# Altium PCB ESP32 V1.0.PcbDoc (part 1 of 2)
Units mm, origin at the board's own origin, x right, y up, seen from the top; angles counter-clockwise.
Board outline 74.47 x 73.52 mm, 4 copper layers (Top Layer, Layer 1, Layer 2, Bottom Layer), stack 1.571 mm thick; 107 components, 77 nets, 387 pads, 218 vias.
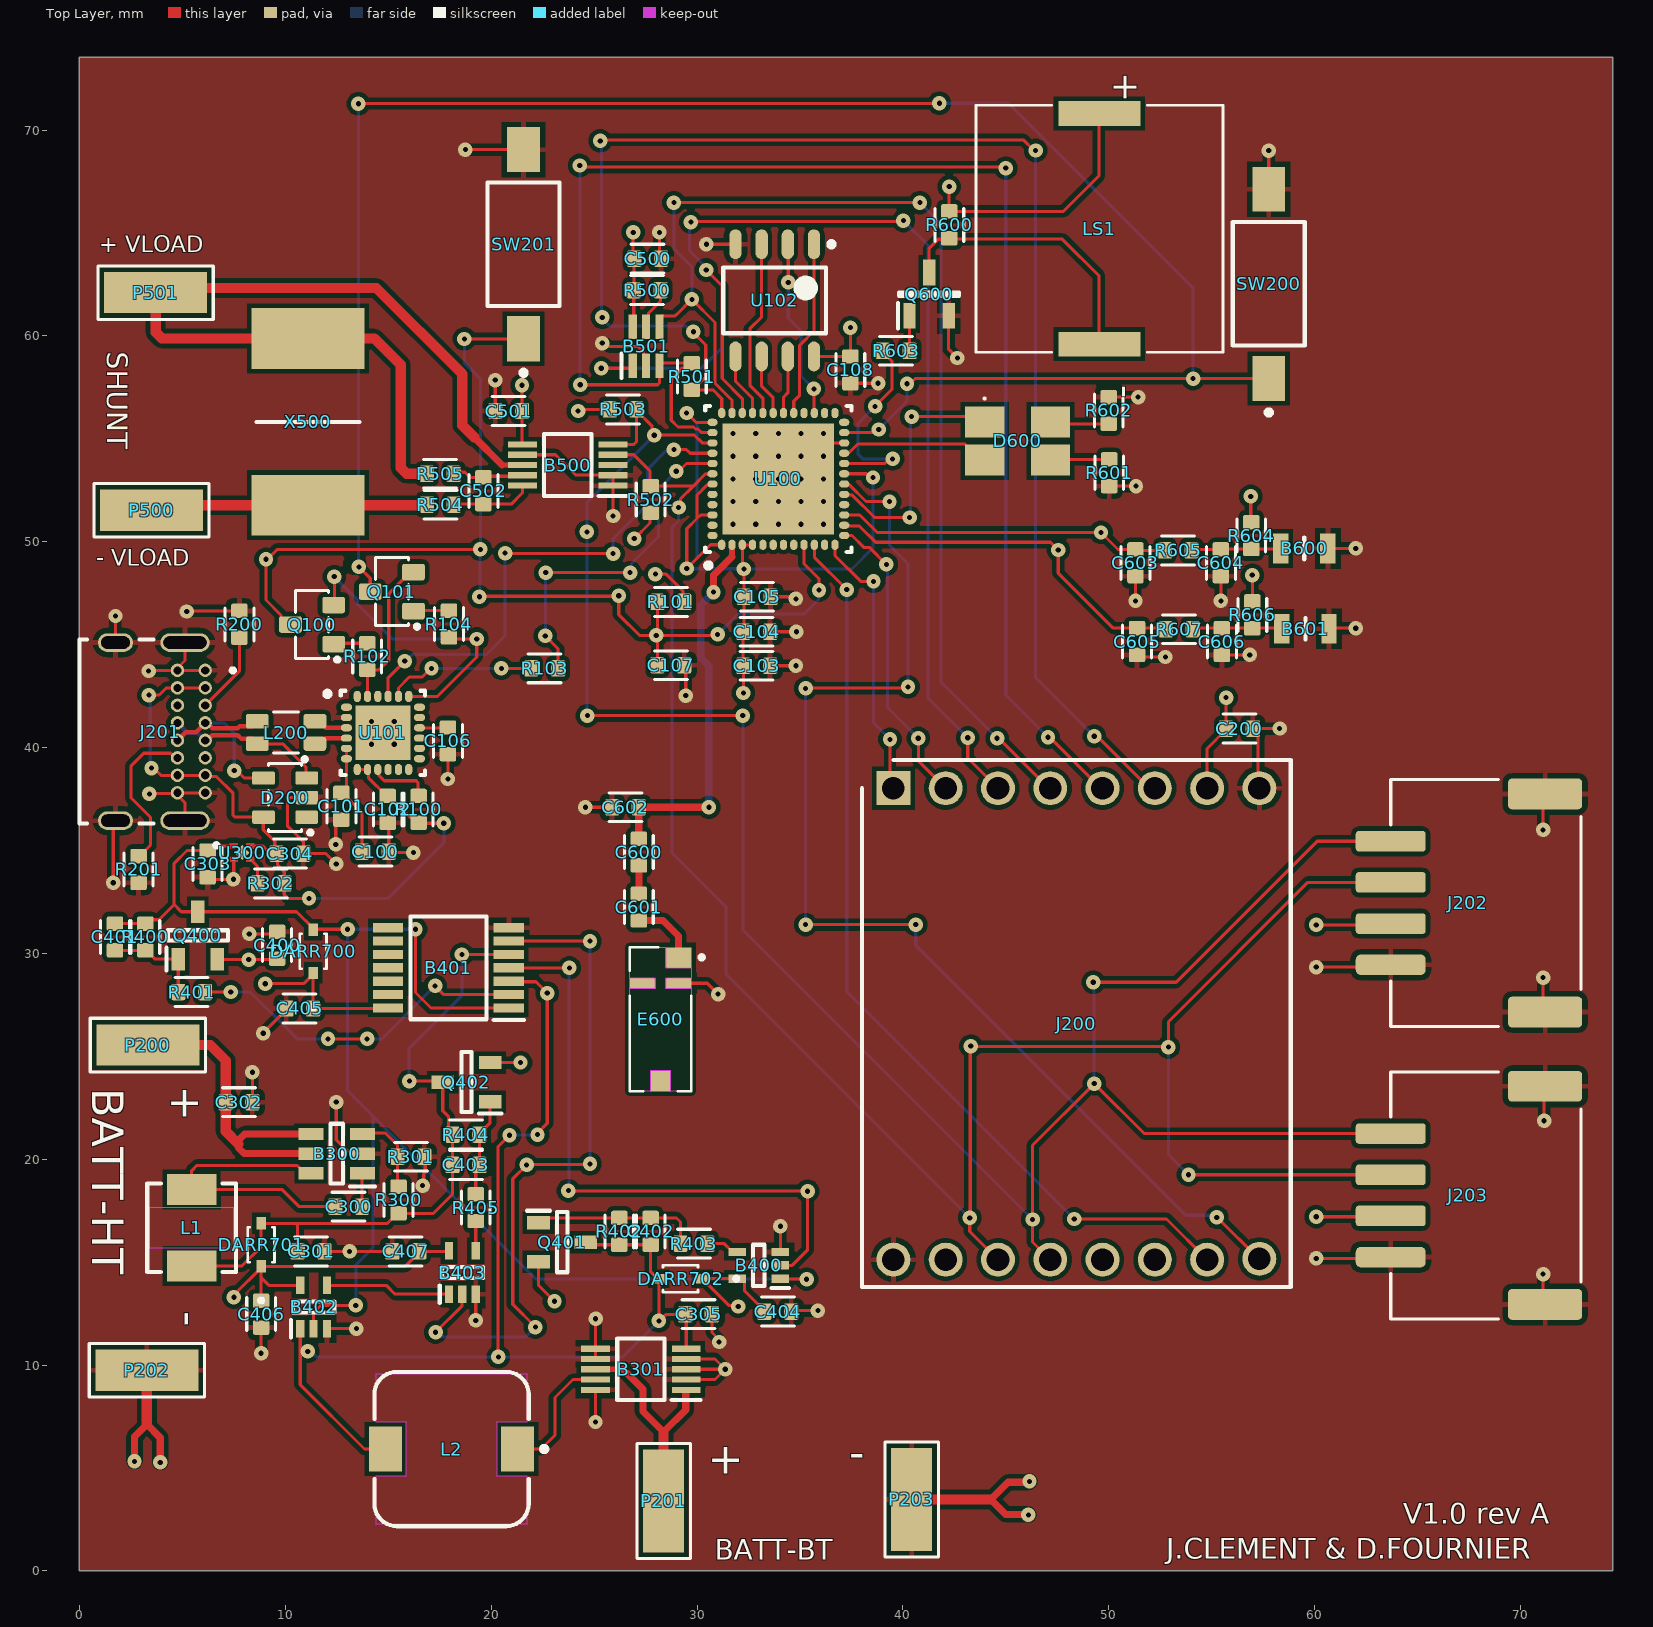
[diagram p0: Top Layer view]
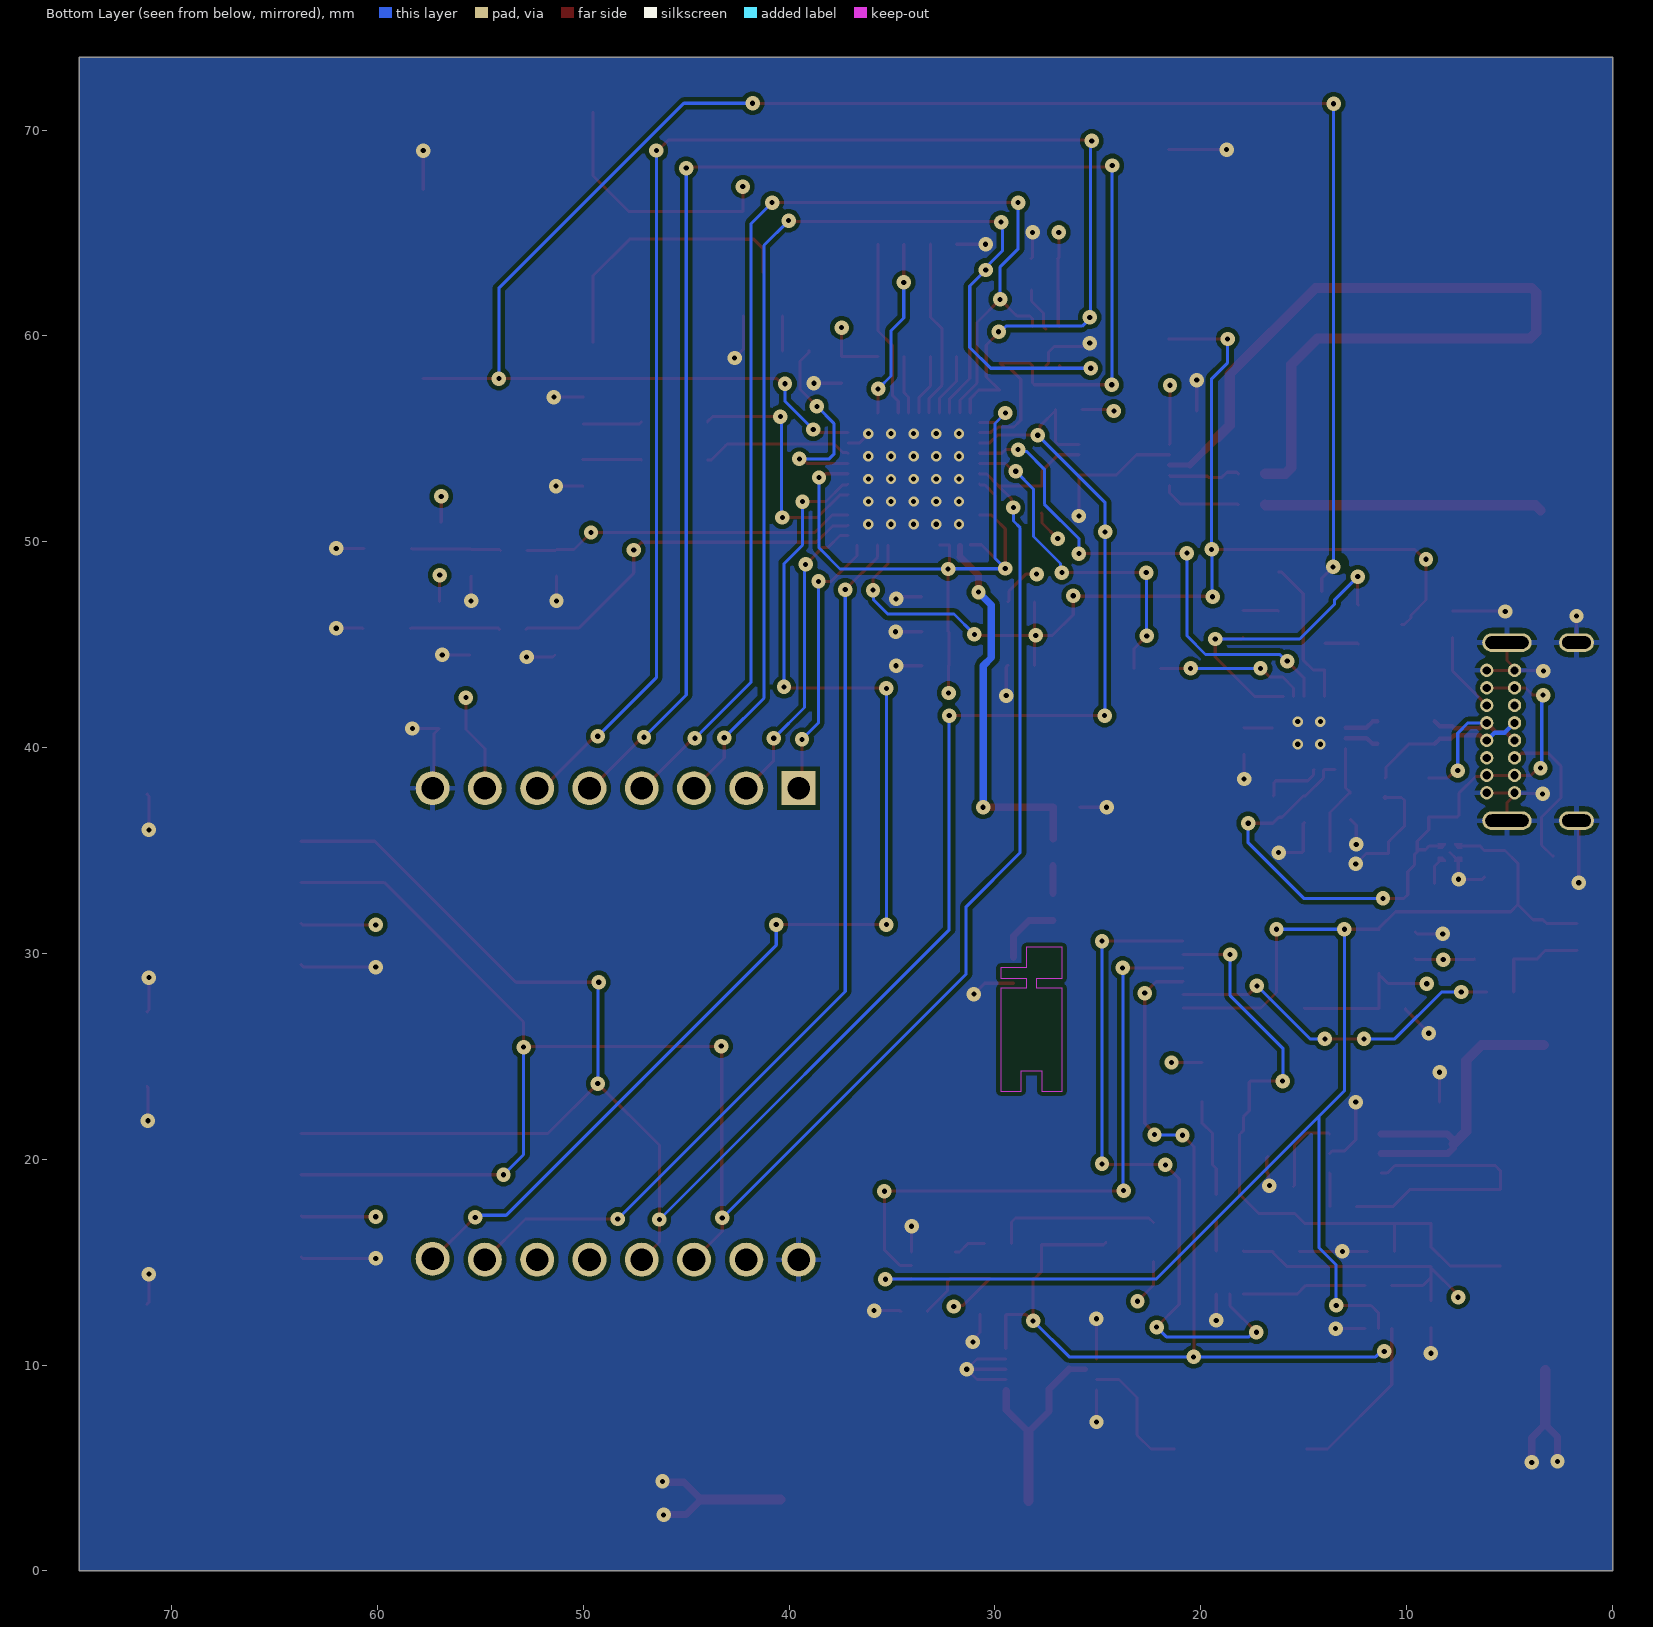
[diagram p1: Bottom Layer view, seen from below]
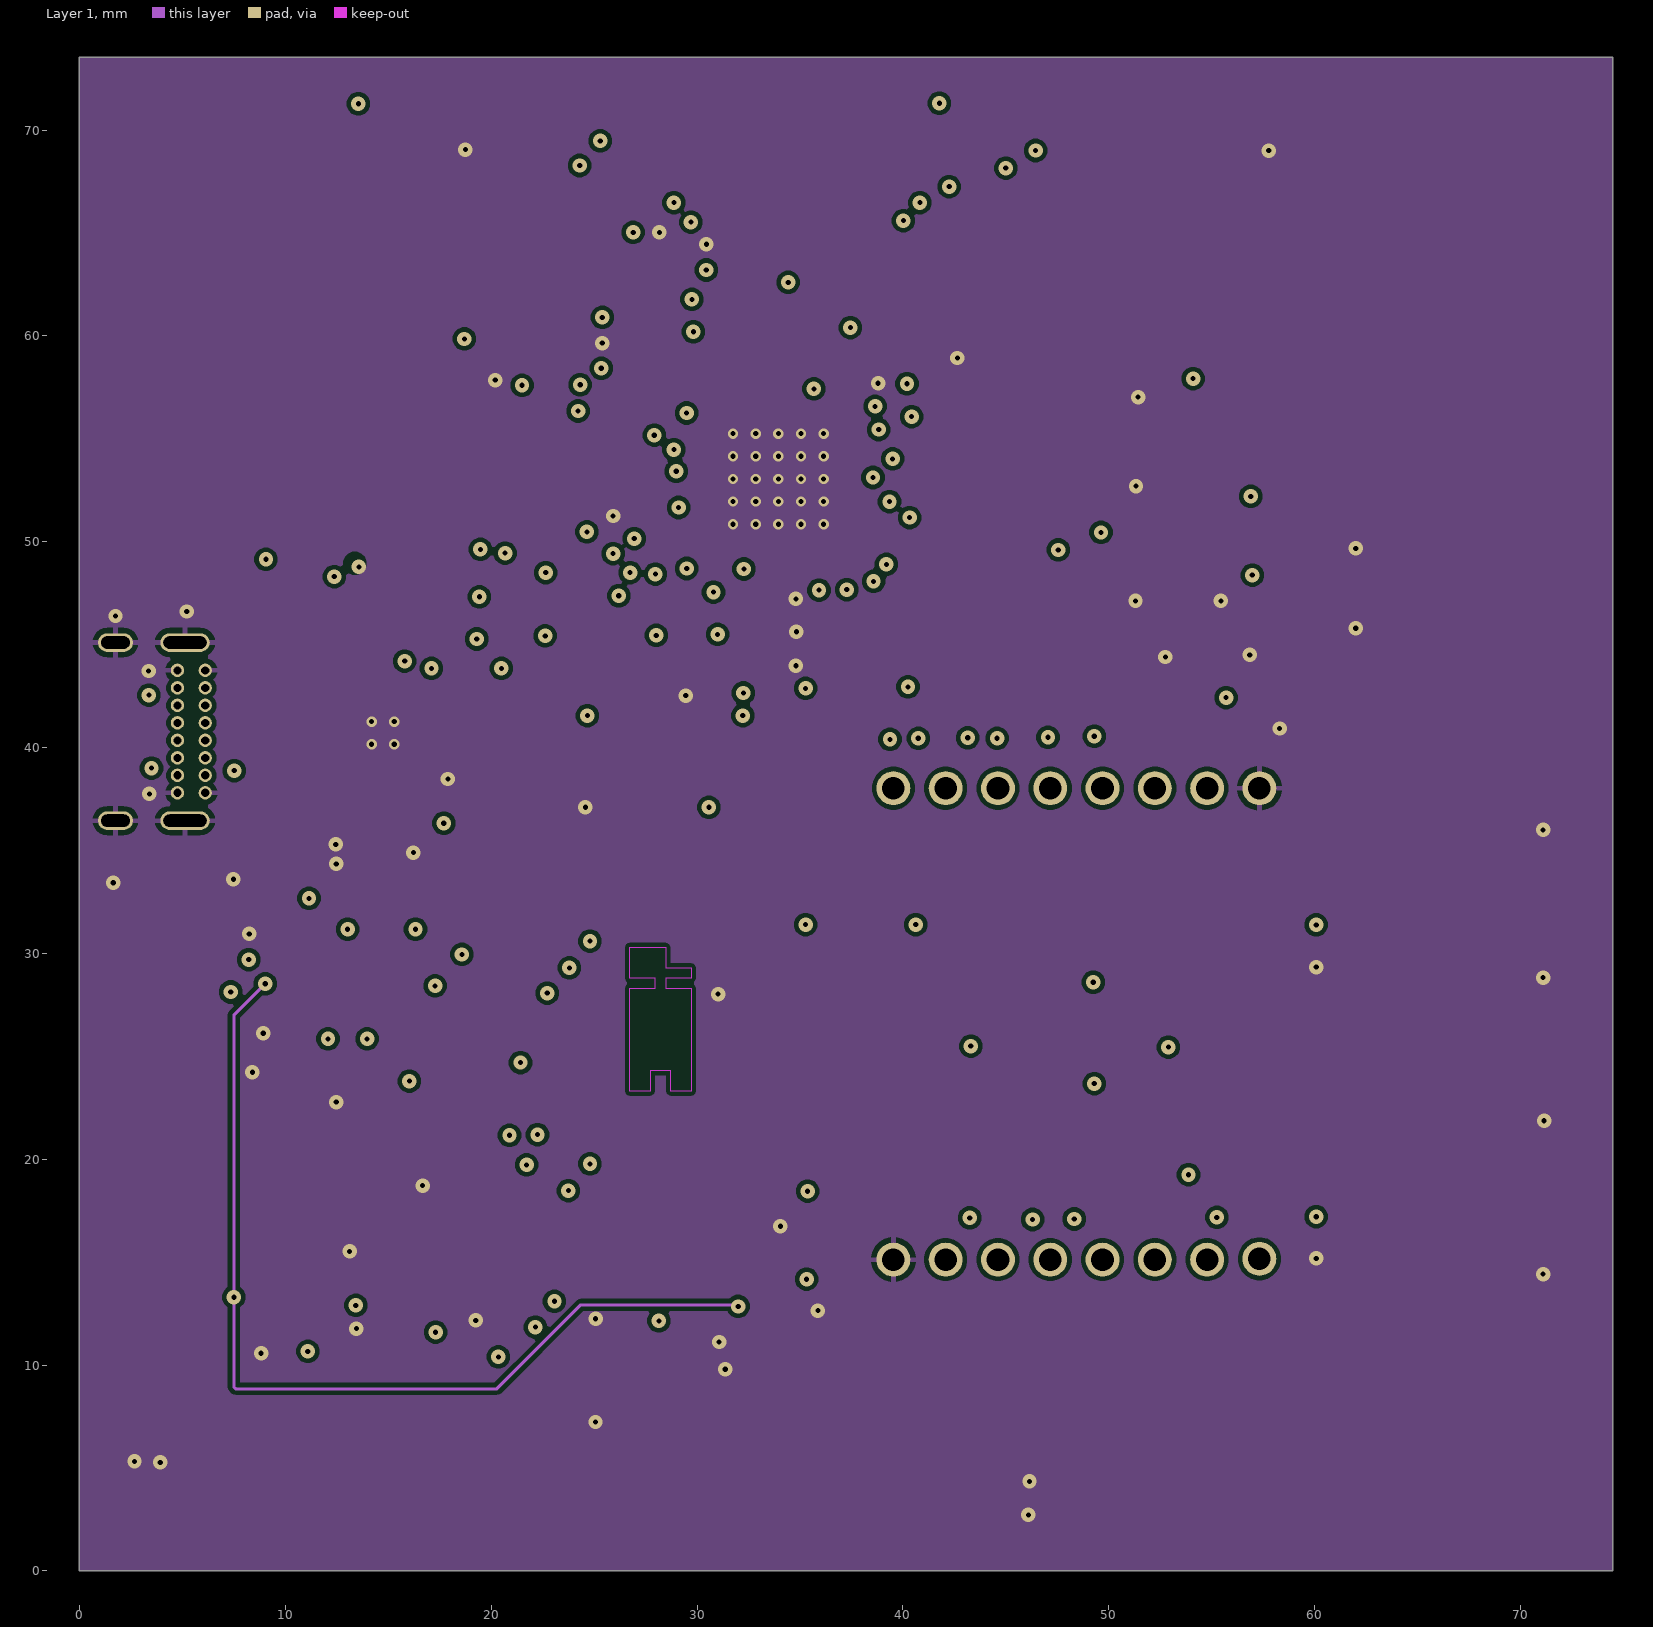
[diagram p2: Layer 1]
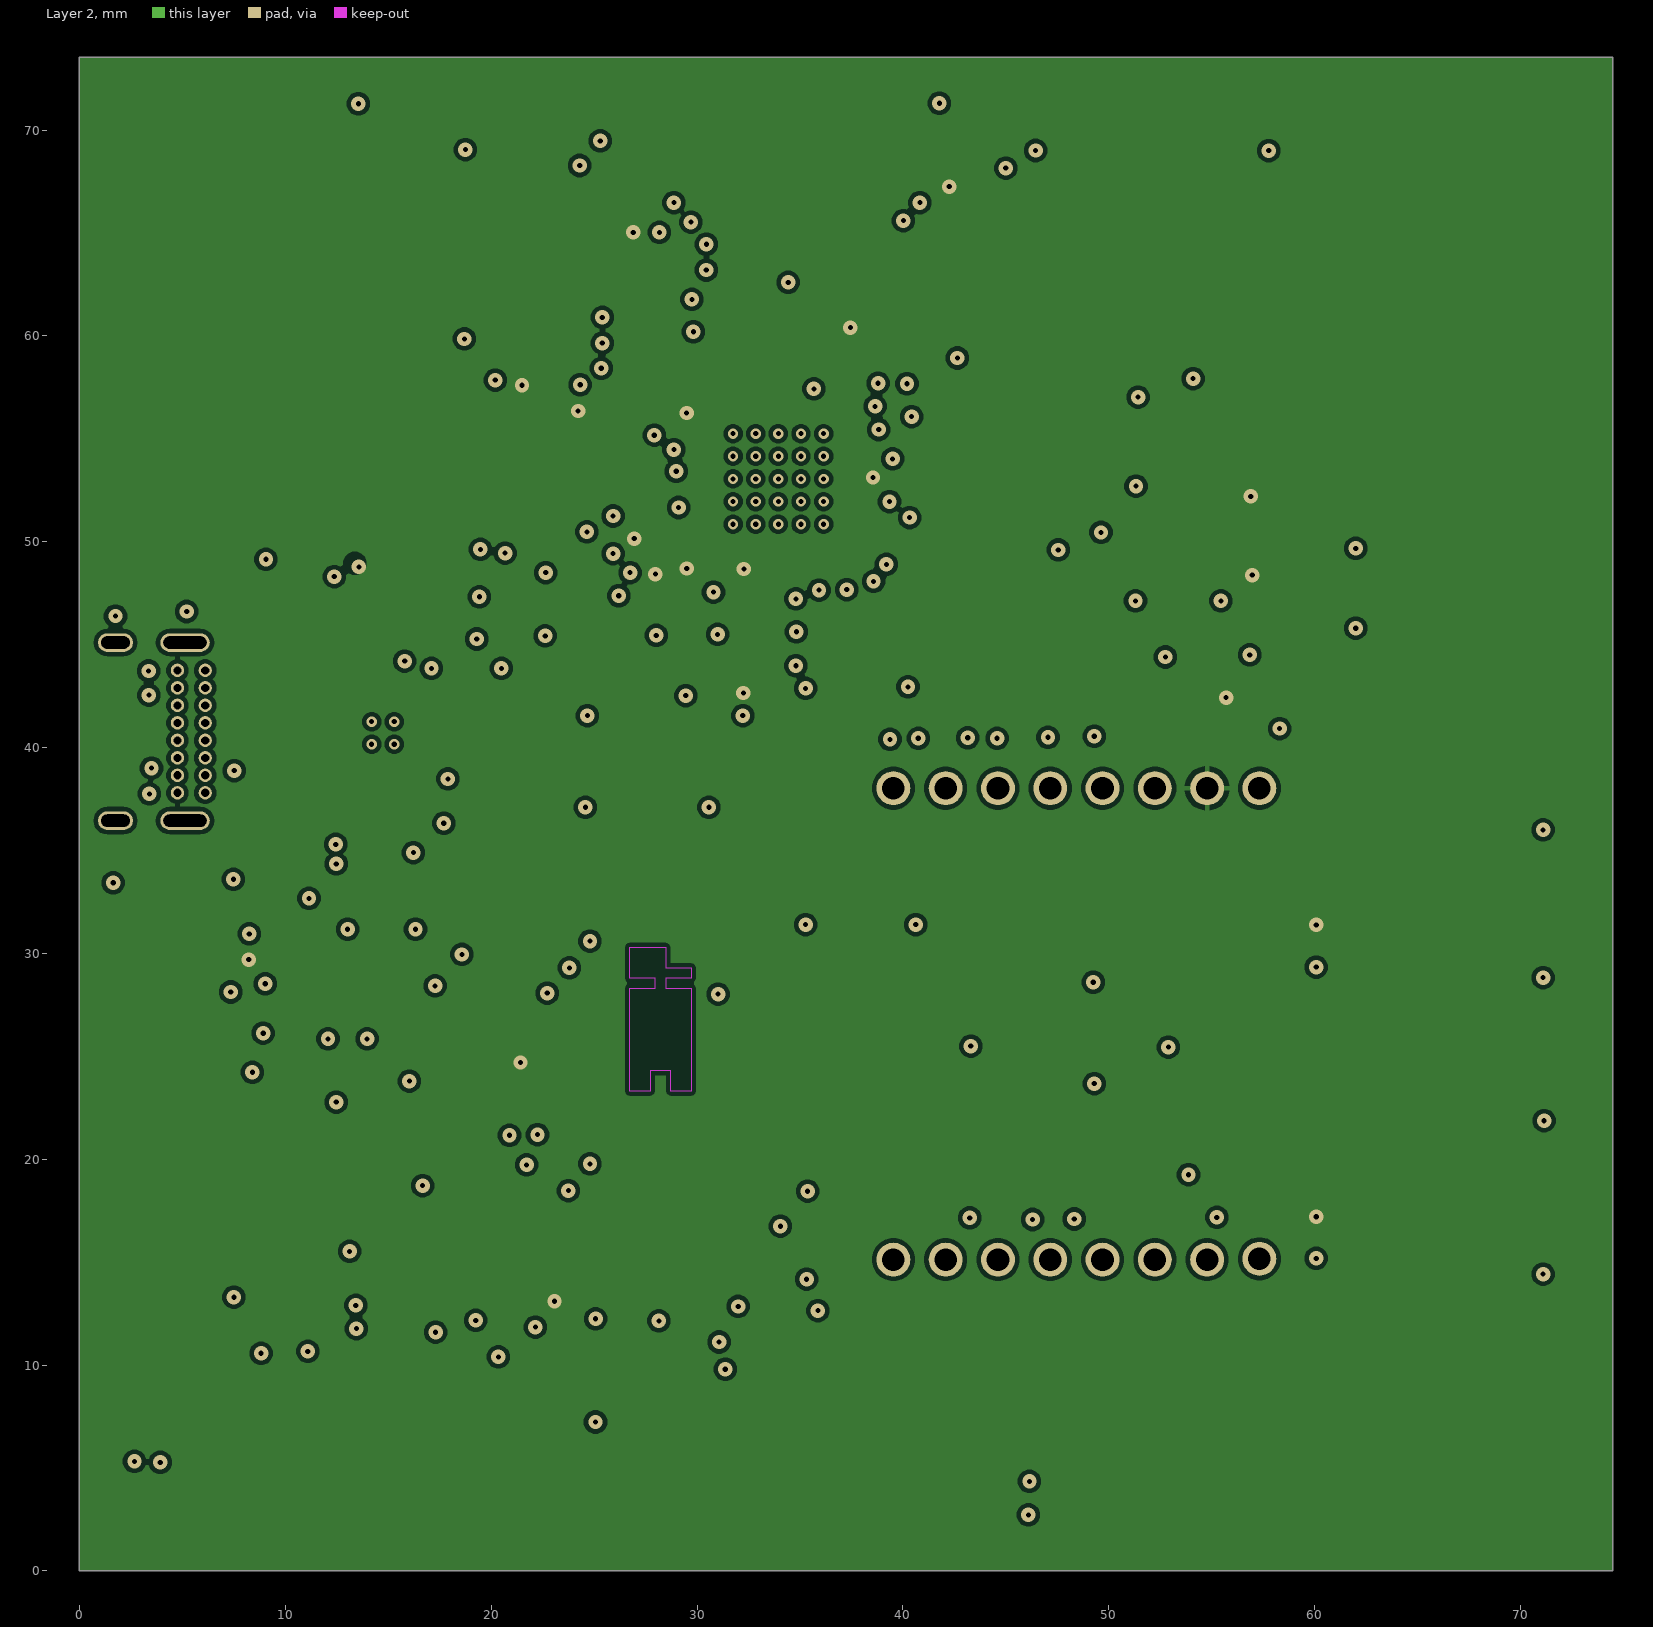
[diagram p3: Layer 2]

## Layer stack, top to bottom
Top Solder: solder mask 0.01, Solder Resist, Dk 3.5
Top Layer: signal copper 0.035
Dielectric 1: prepreg 0.18, PP-021, Dk 4.7
Dielectric 2: prepreg 0.18, PP-021, Dk 4.7
Layer 1: signal copper 0.035
Dielectric 3: core 0.711, Core-042, Dk 4.8
Layer 2: signal copper 0.035
Dielectric 4: prepreg 0.18, PP-021, Dk 4.7
Dielectric 5: prepreg 0.18, PP-021, Dk 4.7
Bottom Layer: signal copper 0.035
Bottom Solder: solder mask 0.01, Solder Resist, Dk 3.5

## Board outline
0,0 0,73.525 74.475,73.525 74.475,0

## Design rules (kind name [scope] priority, off if disabled: settings)
Clearance Clearance_LDO [HasFootprint('NCP167BMX330TBG')] p1: gap=0.254 ignorepadtopadclearanceinfootprint=TRUE except(0: Arc-Hole Track-Hole SMDPad-Hole THPad-Hole Via-Hole Fill-Hole Poly-Hole Region-Hole Text-Hole; 0.09: Arc-Arc Arc-Track Track-Track; 0.12: Arc-SMDPad Track-SMDPad Track-THPad SMDPad-SMDPad SMDPad-THPad SMDPad-Via SMDPad-Fill SMDPad-Poly SMDPad-Region SMDPad-Text; 0.33: Arc-THPad; 0.5: THPad-THPad)
Clearance [All] p2: gap=0.21 ignorepadtopadclearanceinfootprint=TRUE except(0: Arc-Hole Track-Hole SMDPad-Hole THPad-Hole Via-Hole Fill-Hole Poly-Hole Region-Hole Text-Hole; 0.1: Arc-Arc Arc-Track Track-Track; 0.102: Arc-THPad Track-THPad; 0.127: SMDPad-SMDPad; 0.198: Arc-SMDPad Track-SMDPad; 0.254: Arc-Via Track-Via Via-Via)
DiffPairsRouting "Schematic Differential Pairs Routing_7" [InNet('USB_D_P')] p1: maxlimit=0.127 minlimit=0.127 mostfreqgap=0.127 toplayer_minwidth=0.22 toplayer_maxwidth=0.22 toplayer_prefwidth=0.303 midlayer1_minwidth=0.136 midlayer1_maxwidth=0.136 midlayer1_prefwidth=0.109 midlayer2_minwidth=0.136 midlayer2_maxwidth=0.136 midlayer2_prefwidth=0.109 bottomlayer_minwidth=0.22 bottomlayer_maxwidth=0.22 bottomlayer_prefwidth=0.303 impedanceprofiledriven=TRUE impedanceprofileid={DF887FBB-0525-43FE-B3DD-DE2D58ABDB32} impedanceprofilevalue=90.000000 maxuncoupledlength=12.7
DiffPairsRouting "Schematic Differential Pairs Routing_6" [InNet('USB_FLT_P')] p2: maxlimit=0.127 minlimit=0.127 mostfreqgap=0.127 toplayer_minwidth=0.22 toplayer_maxwidth=0.22 toplayer_prefwidth=0.303 midlayer1_minwidth=0.136 midlayer1_maxwidth=0.136 midlayer1_prefwidth=0.109 midlayer2_minwidth=0.136 midlayer2_maxwidth=0.136 midlayer2_prefwidth=0.109 bottomlayer_minwidth=0.22 bottomlayer_maxwidth=0.22 bottomlayer_prefwidth=0.303 impedanceprofiledriven=TRUE impedanceprofileid={DF887FBB-0525-43FE-B3DD-DE2D58ABDB32} impedanceprofilevalue=90.000000 maxuncoupledlength=12.7
DiffPairsRouting "Schematic Differential Pairs Routing_5" [InNet('USB_D_N')] p3: maxlimit=0.127 minlimit=0.127 mostfreqgap=0.127 toplayer_minwidth=0.22 toplayer_maxwidth=0.22 toplayer_prefwidth=0.303 midlayer1_minwidth=0.136 midlayer1_maxwidth=0.136 midlayer1_prefwidth=0.109 midlayer2_minwidth=0.136 midlayer2_maxwidth=0.136 midlayer2_prefwidth=0.109 bottomlayer_minwidth=0.22 bottomlayer_maxwidth=0.22 bottomlayer_prefwidth=0.303 impedanceprofiledriven=TRUE impedanceprofileid={DF887FBB-0525-43FE-B3DD-DE2D58ABDB32} impedanceprofilevalue=90.000000 maxuncoupledlength=12.7
DiffPairsRouting "Schematic Differential Pairs Routing" [InNet('USB_FLT_N')] p4: maxlimit=0.127 minlimit=0.127 mostfreqgap=0.127 toplayer_minwidth=0.22 toplayer_maxwidth=0.22 toplayer_prefwidth=0.303 midlayer1_minwidth=0.136 midlayer1_maxwidth=0.136 midlayer1_prefwidth=0.109 midlayer2_minwidth=0.136 midlayer2_maxwidth=0.136 midlayer2_prefwidth=0.109 bottomlayer_minwidth=0.22 bottomlayer_maxwidth=0.22 bottomlayer_prefwidth=0.303 impedanceprofiledriven=TRUE impedanceprofileid={DF887FBB-0525-43FE-B3DD-DE2D58ABDB32} impedanceprofilevalue=90.000000 maxuncoupledlength=12.7